# KiCad board C1581.kicad_pcb (continued)
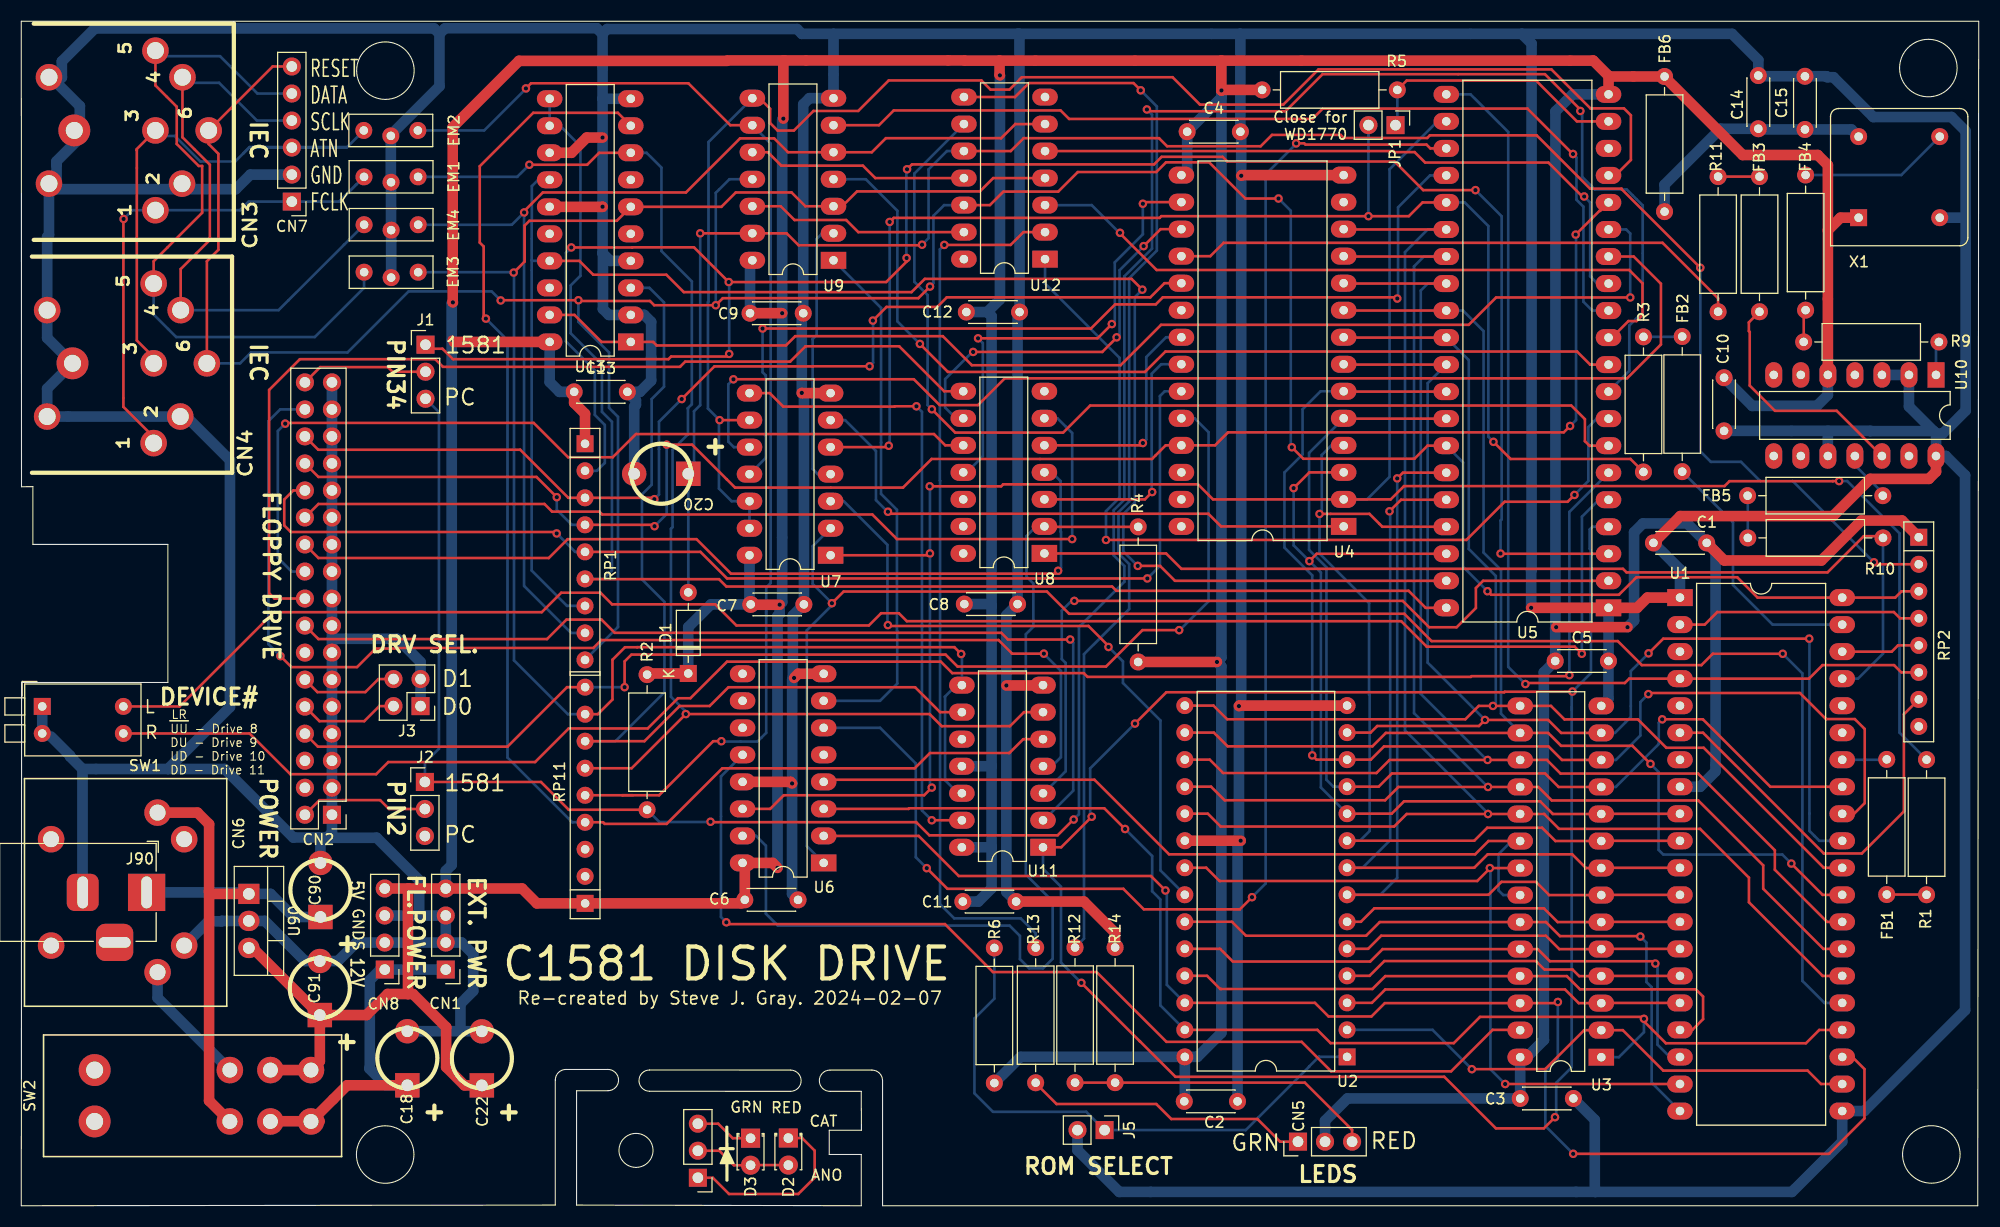
[diagram p0: board, top side]
## Routing (per net, layer and track width the routed paths; a pad name or vN(x,y) marks a point on that pad's centre or on a via; arc(x,y) is an arc through that point)
5V: length 890.6
  Top w1: 91.89,107.63 91.89,106.28 v1(91.92,106.25) ; 91.89,107.63 112.72,107.63 ; 91.89,107.63 88.61,107.63 ; C6.1 68.02,28.75 ; C6.1 67.96,32.01 U6.16 70.57,32.22 v1(71.03,31.76) ; C6.1 67.63,28.42 RP11.1 48.43,28.42 47.03,29.82 CN1.4 36.38,29.82 ; C91.1 32.43,17.92 34.41,19.9 36.32,19.9 ; C91.1 28.04,13.58 SW2.3 SW2.2 ; C91.1 21.73,24.23 U90.3 ; C1.1 159.96,60.65 169.09,60.65 172.84,64.4 176.66,64.4 RP2.1 ; v1(71.58,102.18) 71.58,107.59 71.64,107.65 ; 169.69,91.68 U10.5 ; 169.69,91.68 170.88,92.87 X1.1 ; 169.69,91.68 169.69,97.81 168.74,98.76 161.69,98.76 154.35,106.1 FB6.1 149.15,106.14 ; 71.64,107.65 88.59,107.65 ; 71.64,107.65 66.35,107.65 ; R4.2 v1(112.31,51.11) ; 149.15,106.14 147.66,107.63 112.72,107.63 ; 149.15,106.14 149.09,106.2 U5.20 ; 36.38,29.82 36.32,29.76 36.32,19.9 ; 36.38,29.82 CN8.4 ; 36.32,19.9 36.79,19.9 39.91,16.78 39.91,13.03 41.63,11.31 C22.1 ; R5.2 112.78,104.88 v1(112.73,104.83) 112.72,104.84 112.72,107.63 ; 40.63,81.19 U13.20 ; v1(144.17,54.38) v1(150.87,54.38) ; 66.31,107.61 46.75,107.61 40.52,101.38 40.52,84.93 v1(40.54,84.91) ; C13.1 51.93,75.46 52.95,74.44 RP1.1 ; C9.1 v1(71.47,83.89) ; R2.1 58.89,50.03 D1.1 ; v1(71.23,56.49) 68.54,56.49 C7.1
  Bottom w1: U2.28 93.86,13.99 R6.1 ; U2.28 110.47,13.99 112.72,16.24 112.72,50.7 v1(112.31,51.11) 112.73,51.53 v1(112.73,104.83) 112.73,104.17 C4.1 109.51,97.41 U4.15 ; U2.28 109.29,9.86 C2.1 ; 91.14,33.71 91.14,41.31 ; 91.14,33.71 91.14,29.83 89.9,28.59 C11.1 ; 91.14,33.71 91.12,33.69 U11.14 ; 91.14,41.31 U11.11 ; 91.14,41.31 91.14,56.41 ; CN5.2 122.46,7.98 124.56,10.08 C3.1 U3.28 141.4,13.96 143.02,15.58 143.01,15.59 143.01,50.13 C5.1 144.08,54.29 v1(144.17,54.38) 144.1,54.45 144.1,102.85 145.71,104.46 U5.20 ; D1.1 62.65,54.39 64.78,56.52 C7.1 68.4,56.63 U7.14 ; U13.20 49.63,77.42 50.55,76.5 C13.1 ; C10.1 162.59,75.18 168.66,75.18 169.69,76.21 U10.5 ; 91.14,56.41 91.14,83.6 90.74,84 ; 91.14,56.41 91,56.55 C8.1 ; 90.74,84 91.92,85.18 v1(91.92,106.25) ; 90.74,84 C12.1 ; v1(150.87,54.38) 151.49,55 151.49,63.3 152.32,64.13 156.48,64.13 C1.1 159.14,61.47 159.14,40.83 157.69,39.38 U1.8 ; v1(40.54,84.91) 40.43,84.8 v1(40.43,81.39) 40.43,32.03 39.87,31.47 CN1.4 ; v1(71.58,102.18) 71.47,102.07 v1(71.47,83.89) 71.47,56.73 v1(71.23,56.49) 71.23,55.63 71.03,55.43 v1(71.03,31.76) ; C9.1 68.45,88.64 U9.14
5VIN: length 12
  Bottom w1: CN6.1 12.8,19.54 SW2.1
12V: length 34.4
  Top w1: SW2.6 30.61,11.32 C18.1 ; 28.03,7.94 24.22,7.94
  Bottom w1: CN1.1 CN8.1 33.73,22.2 32.73,21.2 32.73,12.92 32.7,12.89 34.27,11.32 C18.1
12VIN: length 55
  Top w1: 17.64,29.53 17.64,9.87 SW2.4 ; 17.64,29.53 17.86,29.31 U90.1 ; 17.64,29.53 17.64,35.86 16.55,36.95 CN6.4
  Bottom w1: C90.1 25.58,27.14 23.41,29.31 U90.1 ; J90.1 21.24,29.45
GND: length 1213.6
  Top w1: U13.15 54.59,93.89 v1(54.6,93.9) ; U6.13 72.25,39.84 v1(72.4,39.69) ; U13.13 51.68,98.97 53.11,100.4 v1(54.6,100.4) ; R14.2 102.74,25.66 99.81,28.59 C11.2 ; U7.7 73.33,76.38 v1(73.31,76.4) ; v1(114.59,96.81) 114.65,96.87 U4.14 ; v1(72.59,49.61) 72.98,50 U6.8 ; U1.1 152.74,57.16 151.78,56.2 U5.1 v1(141.82,56.2) ; U10.14 179.85,68.99 179.18,68.32 173.67,68.32 170.17,64.82 155.83,64.82 C1.2 ; v1(114.37,46.96) 114.42,47.01 U2.14 ; v1(92.53,48.9) 95.94,48.9 U11.7 ; U2.20 v1(114.54,34.31)
  Bottom w1: 147.84,1.3 166.32,1.3 171.04,6.02 U1.21 173.11,8.9 182.58,18.37 182.58,68.66 180.77,70.47 U10.14 179.85,72.58 ; 147.84,1.3 103.13,1.3 99.21,5.22 J5.2 ; 147.84,1.3 147.8,1.34 147.8,8.07 C3.2 ; 27.87,34.61 28.1,34.38 C90.2 ; 27.87,34.61 25.55,34.61 19.11,41.05 13.78,41.05 ; 27.87,34.61 28.73,34.61 ; U13.10 54.61,104.05 54.6,104.06 ; C10.2 169.69,72.83 ; 93.59,110.15 93.76,110.15 93.76,102.87 93.77,102.86 C12.2 ; 93.59,110.15 114.49,110.15 ; 93.59,110.15 76.29,110.15 ; 169.69,72.83 U10.10 ; 169.69,72.83 173.67,72.83 173.69,72.81 179.62,72.81 179.85,72.58 ; 179.85,72.58 180.48,72.58 182.63,74.73 182.63,101.01 181.31,102.33 173.96,102.33 170.22,106.07 169.65,106.07 169.56,106.16 C15.2 163.23,106.16 C14.2 163.16,107.68 160.69,110.15 140.94,110.15 ; 179.85,72.58 177.31,75.12 U10.2 U10.3 ; 54.6,104.06 54.6,110.13 54.58,110.15 ; 54.6,104.06 v1(54.6,93.9) 54.6,89.53 ; v1(141.82,56.2) 141.82,59.71 141.86,59.75 141.86,109.23 140.94,110.15 ; 37.38,27.28 37.38,30.59 33.38,34.59 28.75,34.59 28.73,34.61 ; 37.38,27.28 CN8.3 ; 37.38,27.28 CN1.3 CN1.2 ; 140.94,110.15 114.49,110.15 ; CN2.33 CN2.31 CN2.29 CN2.27 CN2.25 CN2.23 CN2.21 CN2.19 CN2.17 CN2.15 29.18,53.29 ; 54.58,110.15 55.03,110.6 72.87,110.6 73.32,110.15 76.29,110.15 ; 54.58,110.15 54.06,110.67 39.8,110.67 39.28,110.15 ; CN4.2 CN4.2 2.43,76.8 CN4.2 2.43,81.56 CN4.2 2.43,91.06 2.6,91.23 CN3.2 ; 54.6,89.53 55.32,88.81 U13.4 ; 54.6,89.53 54.63,89.5 54.63,84.29 55.19,83.73 U13.2 58.51,83.73 59.16,83.08 59.16,77.55 58.11,76.5 C13.2 57.73,75.7 57.73,75.28 57.57,75.12 C20.2 ; C12.2 93.58,83.81 C8.2 92.53,55.5 92.53,29.5 C11.2 ; C12.2 93.56,83.79 ; CN6.2 17.58,26.73 18.8,26.73 18.84,26.77 U90.2 22.87,26.77 26.64,23 C91.2 29.74,23 31.48,24.74 CN8.2 CN1.2 ; 13.78,41.05 5.75,41.05 ; 13.78,41.05 19.6,46.87 19.6,70.08 15.89,73.79 ; 29.18,53.29 CN2.13 CN2.11 CN2.9 CN2.7 CN2.5 CN2.3 CN2.1 29.18,35.06 28.73,34.61 ; 29.18,53.29 35.32,53.29 37.5,51.11 J3.3 J3.1 ; CN1.2 41.36,24.74 42.45,23.65 42.45,20.19 41.25,18.99 41.25,16.4 ; 39.28,110.15 39.28,105.22 34.71,100.65 EM2.2 34.71,96.22 EM1.2 34.73,91.71 EM4.2 EM3.2 ; 39.28,110.15 38.77,110.66 6.91,110.66 3.81,107.56 3.81,106.05 3.31,105.55 5.5,103.36 5.5,100.74 5.69,100.55 3.3,98.16 3.3,97.86 3.31,97.85 3.31,95.55 20.15,95.55 21.52,96.92 CN7.2 ; C18.2 41.25,16.4 ; 41.25,16.4 43.25,16.4 C22.2 ; 76.29,110.15 U9.7 74.03,104.1 73.45,103.52 C9.2 73.31,83.75 v1(73.31,76.4) 73.51,76.2 C7.2 72.47,55.48 72.47,49.73 v1(72.59,49.61) 72.41,49.43 72.41,39.7 v1(72.4,39.69) 72.4,29.31 C6.2 ; X1.4 182.62,92.87 ; 5.75,41.05 5.75,29.89 6.02,29.62 ; 5.75,41.05 4.58,42.22 4.58,42.31 2.79,44.1 ; C2.2 114.24,34.01 v1(114.54,34.31) 114.37,34.48 v1(114.37,46.96) 114.59,47.18 v1(114.59,96.81) 114.59,100.87 C4.2 114.51,110.13 114.49,110.15 ; U3.14 149.08,47.65 C5.2 149.09,51.21 U5.1 ; SW1.2 SW1.1 ; U1.1 155.8,59.81 C1.2
A0: length 83.4
  Top w0.25: v1(120.99,60.59) 121.68,61.28 U5.38 ; U4.3 120.99,68.93 v1(119.51,67.45) ; U1.9 148.43,36.84 U3.10 143.86,36.82 142.67,38.01 129.88,38.01 128.72,36.85 U2.10
  Bottom w0.25: U2.10 122.07,39.31 122.07,59.51 v1(120.99,60.59) 119.51,62.07 v1(119.51,67.45)
A1: length 87
  Top w0.25: v1(121.94,65.02) 121.95,65.03 126.63,65.03 127.84,63.82 U5.37 ; U2.9 136.48,34.31 137.7,35.53 142.85,35.53 144.1,34.28 U3.9 148.43,34.3 U1.10
  Bottom w0.25: U4.4 123.06,71.47 122.15,70.56 122.15,65.23 v1(121.94,65.02) 121.94,61.3 126.6,56.64 126.6,48.04 126.65,47.99 126.65,35.22 125.74,34.31 U2.9
A2: length 74.2
  Top w0.25: U1.11 148.43,31.76 U3.8 146.97,31.74 145.68,33.03 137.74,33.03 136.48,31.77 U2.8 ; v1(128.52,65.27) 129.61,66.36 U5.36
  Bottom w0.25: U2.8 125.99,31.77 128.58,34.36 128.58,65.21 v1(128.52,65.27)
A3: length 80
  Top w0.25: U5.35 129.78,68.9 v1(129.24,68.36) ; U2.7 137.82,29.23 139.03,30.44 142.27,30.44 143.51,29.2 U3.7 148.43,29.22 U1.12
  Bottom w0.25: U2.7 127.65,29.23 129.24,30.82 v1(129.24,68.36)
A4: length 32.3
  Top w0.25: U1.13 148.43,26.68 U3.6 144.31,26.66 143.02,27.95 127.09,27.95 125.83,26.69 U2.6
A5: length 32.3
  Top w0.25: U1.14 148.43,24.14 U3.5 144.46,24.12 143.2,25.38 127.74,25.38 126.51,24.15 U2.5
A6: length 32.4
  Top w0.25: U2.4 126.64,21.61 128.03,23 142.28,23 143.07,22.2 145.71,22.2 146.33,21.58 U3.4 148.43,21.6 U1.15
A7: length 32.3
  Top w0.25: U1.16 148.43,19.06 U3.3 146.29,19.04 145,20.33 128.12,20.33 126.86,19.07 U2.3
A8: length 55.2
  Top w0.25: U2.25 111.38,21.61 112.62,20.37 126.91,20.37 128.12,21.58 U3.25 145.17,21.58 146.41,20.34 157.29,20.34 157.97,19.66 157.97,17.54 156.95,16.52 U1.17
A9: length 56
  Top w0.25: U2.24 112.6,24.15 113.8,22.95 126.7,22.95 127.87,24.12 U3.24 142.44,24.12 143.58,22.98 153.27,22.98 v1(153.49,22.76)
  Bottom w0.25: U1.18 154.85,13.98 153.69,15.14 153.69,22.56 v1(153.49,22.76)
A10: length 69.9
  Top w0.25: U2.21 111.3,31.77 112.55,30.52 136.75,30.52 137.94,31.71 v1(137.94,31.74) U3.21 ; v1(139.38,11.44) U1.19
  Bottom w0.25: v1(139.38,11.44) 138,12.82 138,31.68 v1(137.94,31.74)
A11: length 62.4
  Top w0.25: v1(152.08,25.3) 152.04,25.34 144.53,25.34 143.21,26.66 U3.23 127.6,26.66 126.32,25.38 115.03,25.38 113.72,26.69 U2.23
  Bottom w0.25: v1(152.08,25.3) 152.65,24.73 152.65,21.03 153.14,20.54 153.14,11.56 U1.20
A12: length 51.7
  Top w0.25: U1.22 169.05,11.44 167.79,12.7 154.23,12.7 150.43,16.5 U3.2 146.8,16.5 143.14,12.84 v1(136.25,12.84)
  Bottom w0.25: v1(136.25,12.84) 136.25,12.84 132.56,16.53 U2.2
A13: length 133.4
  Top w0.25: v1(144.33,19.15) 144.22,19.04 U3.26 128.07,19.04 126.82,17.79 122.79,17.79 121.51,19.07 U2.26 ; U1.23 171.99,13.98 173.13,12.84 173.13,8.21 169.8,4.88 v1(145.77,4.88) ; v1(107.47,29.63) 106.11,30.99 88.06,30.99 84.29,34.76 U6.2
  Bottom w0.25: v1(145.77,4.88) 143.15,7.5 143.15,12.61 144.33,13.79 v1(144.33,19.15) ; v1(107.47,29.63) 107.6,29.5 107.6,20.76 U2.26
A14: length 121.6
  Top w0.25: U6.3 83.34,37.3 83.39,37.36 101.72,37.36 103.67,35.41 v1(103.68,35.41) ; U2.27 121.74,16.53 122.99,15.28 134.55,15.28 137.02,17.75 152.24,17.75 v1(152.42,17.57) 152.42,17.33 154.48,15.27 167.63,15.27 168.88,16.52 U1.24
  Bottom w0.25: U3.1 150.06,13.96 152.42,16.32 v1(152.42,17.57) ; v1(103.68,35.41) 106.22,32.87 106.22,29.56 106.99,28.79 106.99,18.83 U2.27
A15: length 163.7
  Top w0.25: v1(165.45,51.88) 158.88,51.88 157.81,50.81 152.22,50.81 149.96,53.07 132.47,53.07 129.9,55.64 98.42,55.64 96.33,57.73 77.24,57.73 v1(76.14,56.63)
  Bottom w0.25: U7.2 74.34,62 74.34,58.45 76.14,56.64 v1(76.14,56.63) 76.14,56.44 73.78,54.09 73.78,33.81 U6.1 ; U1.25 169.37,19.06 167.3,21.13 167.3,50.03 v1(165.45,51.88)
ACTLED: length 84.7
  Top w0.25: v1(101.89,62.58) 135.74,62.58 139.33,66.17 145.25,66.17 v1(145.89,66.81)
  Bottom w0.25: v1(145.89,66.81) 145.89,66.82 147.19,68.12 147.19,73.19 147.98,73.98 U5.8 ; v1(101.89,62.58) 101.89,65.28 103.16,66.56 103.16,79.69 96.16,86.69 U12.1
ATN_ACK: length 110.4
  Top w0.25: U5.14 151.45,89.22 154.01,86.66 154.01,80.95 150.83,77.77 92.38,77.77 89.86,75.25 86.27,75.25 83.84,77.68 v1(66.89,77.68)
  Bottom w0.25: U7.10 66.93,71.3 66.41,71.82 66.41,77.2 v1(66.89,77.68)
ATN_IN: length 146.1
  Top w0.25: v1(65.59,73.84) U7.9 ; U5.17 149.73,96.84 151.19,98.3 151.19,102.49 150.54,103.14 147.39,103.14 143.72,106.81 121.84,106.81 118.54,103.5 110.71,103.5 108.14,106.07 93.98,106.07 92.82,104.91 91.04,104.91 90.18,105.77 81.48,105.77 78.61,102.9 74.41,102.9 72.57,101.06 71.04,101.06 70.34,101.76 70.34,103.1 69.34,104.1 U9.8
  Bottom w0.25: U7.13 U7.12 66.72,66.22 65.53,67.41 65.53,73.78 v1(65.59,73.84) 64.5,74.94 64.5,84.93 64.55,84.99 64.55,99.98 U9.8
CLK_IN: length 89.5
  Top w0.25: U9.6 80.56,101.56 81.95,102.95 97.62,102.95 98.42,102.15 121.27,102.15 122.24,103.12 141.47,103.12 145.74,98.86 v1(145.75,98.86)
  Bottom w0.25: U5.12 147.56,84.14 146.73,84.97 146.73,93.9 146.08,94.56 146.08,98.54 v1(145.75,98.86)
CLK_OUT: length 62.2
  Top w0.25: v1(146.8,94.86) 146.63,94.86 143.44,98.05 131.86,98.05 130.88,99.03 128.98,99.03 128.88,99.13 U12.5
  Bottom w0.25: v1(146.8,94.86) 147.36,94.3 147.36,87.36 148.04,86.68 U5.13
CNT: length 133
  Top w0.25: U5.40 131.91,56.2 130.31,57.8 102.86,57.8 102.46,58.2 66.23,58.2 65.54,58.89 52.98,58.89 RP1.6
  Bottom w0.25: RP1.6 54.68,58.92 55.48,59.72 55.48,73.68 54.54,74.62 54.54,79.07 51.6,82.01 51.6,86.5 52.52,87.41 52.52,99.59 50.6,101.51 U13.12 U13.11
D0: length 101.8
  Top w0.25: U2.11 127.5,39.39 128.74,40.63 143.13,40.63 144.4,39.36 U3.11 ; v1(154.13,45.72) 157.95,45.72 164.29,39.38 U1.33 ; U4.5 124.24,73.98 U5.33
  Bottom w0.25: U3.11 149.77,39.36 153.81,43.4 153.81,45.4 v1(154.13,45.72) ; U2.11 123.24,39.39 122.59,40.04 122.59,60.01 120.96,61.64 120.96,70.76 U4.5
D1: length 117
  Top w0.25: U5.32 124.24,76.52 U4.6 ; U1.32 172.15,36.84 173.15,37.84 173.15,44.81 172.22,45.74 169.52,45.74 167.07,48.19 152.93,48.19 v1(152.83,48.09) ; U3.12 144.72,41.9 143.45,43.17 128,43.17 126.76,41.93 U2.12 121.66,41.93 v1(121.26,42.33)
  Bottom w0.25: v1(121.26,42.33) 121.26,59.25 118.65,61.86 118.65,68.92 120.35,70.62 120.35,74.86 122.04,76.55 U4.6 ; v1(152.83,48.09) 152.08,47.34 152.08,44.2 149.78,41.9 U3.12
D2: length 118.2
  Top w0.25: U3.13 144.64,44.44 143.42,45.66 v1(137.49,45.66) 136.92,45.09 127.36,45.09 126.74,44.47 U2.13 ; v1(167.94,53.3) 154.23,53.3 v1(152.85,51.92) ; U4.7 124.24,79.06 U5.31
  Bottom w0.25: U3.13 149.69,44.44 151.18,45.93 151.18,50.25 v1(152.85,51.92) ; U5.31 132.1,77.31 132.1,51.05 137.49,45.66 v1(137.49,45.66) ; U1.31 168.89,34.3 167.96,35.23 167.96,53.28 v1(167.94,53.3)
D3: length 115.4
  Top w0.25: U5.30 124.24,81.6 U4.8 ; U1.30 169.31,31.76 158.03,43.05 154.52,43.05 151.85,45.71 144.95,45.71 143.68,46.98 U3.15 v1(138.23,46.98) 136.9,46.98 135.64,45.72 113.27,45.72 111.98,47.01 U2.15
  Bottom w0.25: v1(138.23,46.98) 138.5,47.25 138.5,59.19 135.96,61.73 135.96,79.49 U5.30
D4: length 126.9
  Top w0.25: v1(153.03,41.53) 151.33,43.23 144.63,43.23 143.42,44.44 U3.16 128.17,44.44 126.91,43.18 113.31,43.18 112.02,44.47 U2.16 ; U1.29 169.2,29.22 v1(166.26,32.16) ; U5.29 124.24,84.14 U4.9
  Bottom w0.25: 162.4,33.01 165.41,33.01 v1(166.26,32.16) ; 162.4,33.01 162.79,33.01 ; 162.4,33.01 154.23,33.01 153.79,33.45 153.79,40.77 v1(153.03,41.53) ; U5.29 135.42,84.14 137.35,82.21 137.35,61.39 138.99,59.75 138.99,46.24 U3.16
D5: length 129.2
  Top w0.25: U4.10 124.24,86.68 U5.28 ; U1.28 169.61,26.68 164.71,31.58 164.71,33.41 157.5,40.62 144.58,40.62 143.3,41.9 U3.17 v1(137.73,41.9) 128.52,41.9 127.29,40.67 112.89,40.67 111.63,41.93 U2.17
  Bottom w0.25: U5.28 132.11,86.68 131.45,86.02 131.45,48.11 137.66,41.9 v1(137.73,41.9)
D6: length 135.3
  Top w0.25: U2.18 111.75,39.39 113.03,38.11 128.1,38.11 129.35,39.36 v1(137.77,39.36) U3.18 142.49,39.36 143.76,38.09 157.52,38.09 163.62,31.99 163.62,29.79 169.27,24.14 U1.27 ; U4.11 124.24,89.22 U5.27
  Bottom w0.25: U5.27 131.75,89.22 130.82,88.29 130.82,46.3 137.76,39.36 v1(137.77,39.36)
D7: length 140.9
  Top w0.25: U5.26 124.24,91.76 U4.12 ; U1.26 169.2,21.6 162.28,28.52 162.28,30.83 157.69,35.43 144.44,35.43 143.04,36.82 U3.19 v1(137.77,36.82) 130.13,36.82 128.95,35.64 112.66,35.64 111.45,36.85 U2.19
  Bottom w0.25: U5.26 132.1,91.76 129.97,89.63 129.97,44.68 137.77,36.88 v1(137.77,36.82)
DATA: length 166.2
  Top w0.25: v1(46.25,87.71) 47.28,88.74 47.28,92.13 47.73,92.58 55.94,92.58 U13.6 65.76,93.89 67.11,95.24 72.35,95.24 73.65,93.94 U9.3 77.1,93.94 78.5,95.34 90.04,95.34 91.29,96.59 U12.4 ; RP11.8 54.15,46.2 55.53,47.58 55.53,51.32 56.7,52.49 57.85,52.49 57.86,52.5 87.64,52.5 v1(88.28,51.86)
  Bottom w0.25: RP11.8 51.34,46.2 46.28,51.26 46.28,87.68 v1(46.25,87.71) 46.21,87.75 EM3.1 ; U11.12 87.99,38.77 86.77,39.99 86.77,47.82 86.75,47.84 87.84,48.93 U11.8 88.35,51.79 v1(88.28,51.86)
DATA_IN: length 87.7
  Top w0.25: v1(84.41,81.01) 87.04,78.37 105.55,78.37 107.47,80.29 146.13,80.29 147.36,79.06 U5.10
  Bottom w0.25: v1(84.41,81.01) 82.29,83.12 82.29,93.52 79.33,96.48 U9.4
DATA_OUT: length 66.3
  Top w0.25: U5.11 149.41,81.6 150.96,83.15 151.72,83.15 152.28,83.71 152.28,86.7 151.03,87.95 106.64,87.95 103.2,91.39 v1(103.2,91.45)
  Bottom w0.25: U12.3 100.54,94.05 103.14,91.45 v1(103.2,91.45)
DIRECTION: length 91.9
  Top w0.25: CN2.18 23.78,57.07 23.28,57.57 23.28,76.68 26.16,79.57 38.88,79.57 39.6,78.85 61.87,78.85 62.36,79.34 72.22,79.34 73.66,80.78 82.46,80.78 86.69,76.55 U8.8
FAST_CLK: length 124.5
  Top w0.25: v1(47.72,97.84) 53.15,97.84 54.28,98.97 U13.8 ; U11.6 94.18,46.39 92.86,45.07 86.46,45.07 85.32,46.21 v1(62.42,46.21) 57.33,41.12 RP11.6
  Bottom w0.25: v1(47.72,97.84) 46.58,96.71 EM1.1 ; U13.8 58.73,98.97 60.13,97.57 60.13,89.73 62.99,86.88 62.99,75.34 62.6,74.95 62.62,74.93 62.62,72.51 61.18,71.07 61.18,63.79 61.02,63.63 61.02,47.84 62.42,46.44 v1(62.42,46.21)
FAST_SER_DIR: length 115
  Top w0.25: U13.19 51.96,83.73 54.5,81.19 U13.1 59.35,81.19 59.68,80.86 71.82,80.86 72.69,81.73 86.56,81.73 89.29,79 103.26,79 107.06,82.8 135.96,82.8 138.53,85.37 v1(151.13,85.37)
  Bottom w0.25: v1(151.13,85.37) 151.13,91.38 150.75,91.76 U5.15
FD_PIN2: length 12.2
  Top w0.25: J2.2 34.54,37.29 33.71,38.12 30.19,38.12 30.18,38.12 28.01,38.12 CN2.2
FD_PIN34: length 12.1
  Top w0.25: J1.2 34.87,78.39 34.44,78.82 28.07,78.82 CN2.34
FDC_CLOCK: length 54.4
  Top w0.25: R11.2 159.38,85.29 154.16,90.51 112.94,90.51 111.68,89.25 U4.18
GREEN_LED: length 27
  Top w0.25: CN5.1 118.24,6.02 116.11,8.15 108.02,8.15 106.61,9.56 97.24,9.56 95.24,11.56
INDEX: length 112.4
  Top w0.25: CN2.8 27.86,43.15 45.67,43.15 51.26,48.74 RP11.9 ; v1(56.67,48.74) 56.67,51.16 57.31,51.8 86.82,51.8 87.94,50.68 101.89,50.68 105.31,54.1 v1(108.76,54.1)
  Bottom w0.25: U4.24 110.21,74.01 111.52,72.7 111.52,56.81 108.81,54.1 v1(108.76,54.1) ; v1(56.67,48.74) RP11.9
MOTOREN: length 92.3
  Top w0.25: CN2.16 27.91,53.26 49.38,53.26 51.21,55.09 54.5,55.09 55.74,53.85 92.05,53.85 92.68,53.22 v1(98.52,53.22)
  Bottom w0.25: U11.2 96.03,36.23 98.81,39.01 98.81,52.93 v1(98.52,53.22)
PHI0: length 96.6
  Top w0.25: U8.1 107.53,61.31 108.97,59.87 150.45,59.87 150.78,59.53 169.66,59.53 173.06,62.93 174.92,62.93
  Bottom w0.25: U1.37 172.52,49.54 174.87,51.89 R10.1
PHI2: length 130.8
  Top w0.25: R3.2 151.15,70.19 139.89,70.19 v1(138.28,71.8) ; v1(81.57,92.47) 81.95,92.85 106.92,92.85 107.08,93.01 v1(126.54,93.01) 130.33,93.01 131.62,94.3 U5.25 ; U7.5 81.35,71.3 v1(81.48,71.43)
  Bottom w0.25: v1(138.28,71.8) 137.8,72.28 137.8,92.08 135.58,94.3 U5.25 134.8,94.3 ; 126.54,100.56 JP1.2 v1(126.54,93.01) ; v1(81.48,71.43) 81.57,71.52 81.57,92.47 v1(81.57,92.47)
POWERLED: length 97.7
  Top w0.25: U5.7 147.35,71.44 147.32,71.41 146.87,71.86 146.87,73.93 145.59,75.21 100.4,75.21 97.86,72.67 87.72,72.67 v1(85.53,74.86)
  Bottom w0.25: U12.9 83.89,97.02 83.89,86.84 85.13,85.6 85.13,75.26 v1(85.53,74.86)
R/~{W}: length 214.5
  Top w0.25: v1(170.75,68.11) 170.16,68.11 170.15,68.1 160.45,68.1 159.99,67.64 129.88,67.64 128.63,66.39 U4.2 111.94,66.39 110.53,67.81 92.22,67.81 92.04,67.62 v1(85.33,67.62) ; U7.1 85.18,61.14 v1(85.35,61.31) ; v1(85.52,39.3) 84.8,38.58 71.62,38.58 70.34,37.3 U6.14
  Bottom w0.25: v1(85.52,39.3) 85.35,39.47 v1(85.35,61.31) 85.35,67.6 v1(85.33,67.62) ; U4.2 126.4,66.39 128.52,68.51 128.52,97.42 133.02,101.92 U5.22 ; R1.2 176.42,44.47 176.42,63.2 171.51,68.11 v1(170.75,68.11)
RDY: length 23.2
  Top w0.25: U1.2 158.12,54.62 159.3,55.8 175.89,55.8 176.48,55.21 RP2.4
READDATA: length 99.5
  Top w0.25: v1(79.99,83.2) 81.27,84.48 86.03,84.48 86.93,85.38 106.05,85.38 107.38,86.71 U4.19 ; CN2.30 27.89,71.06 46.86,71.06 51.38,66.54 RP1.3 59.33,66.54 v1(59.46,66.41) ; v1(62.03,75.82) 65.1,78.89 74.35,78.89 74.36,78.9 v1(79.68,78.9)
  Bottom w0.25: v1(79.99,83.2) 80.01,83.18 80.01,79.23 v1(79.68,78.9) ; v1(62.03,75.82) 59.9,73.69 59.9,71.1 59.9,71.1 59.9,66.85 v1(59.46,66.41)
RED_LED: length 29
  Top w0.25: CN5.3 125,7.13 120.56,11.57 R14.1 R12.1
S0: length 7.4
  Top w0.25: U1.38 175.69,52.08 176.28,52.67 RP2.5
SELECT0: length 9.5
  Top w0.25: CN2.10 28.01,45.55 32.21,45.55 33.63,46.96 J3.2
SELECT1: length 9.3
  Top w0.25: CN2.12 27.82,48.28 32.32,48.28 33.54,49.5 J3.4
SIDE0: length 73.9
  Top w0.25: v1(98.91,56.85) 129.76,56.85 132.24,54.37 134.82,54.37 136.63,56.18 136.63,58.06 137.31,58.74 U5.2
  Bottom w0.25: U11.3 96.03,38.77 98.1,40.84 98.1,51.01 97.73,51.38 97.73,55.93 98.65,56.85 v1(98.91,56.85)
SIDESELECT: length 112.6
  Top w0.25: v1(96.05,51.89) 93.07,51.89 91.79,53.17 54.48,53.17 53.74,52.43 35.21,52.43 35.16,52.37 33.28,52.37 31.54,50.63 25.38,50.63 v1(24.34,51.66)
  Bottom w0.25: U11.4 96.8,41.31 97.65,42.16 97.65,50.27 96.05,51.87 v1(96.05,51.89) ; CN2.32 24.32,74.85 23.21,73.74 23.21,52.79 v1(24.34,51.66)
SLOW_CLK: length 106.6
  Top w0.25: v1(47.23,93.36) 47.23,93.48 48.99,95.24 62.43,95.24 67.51,100.32 70.72,100.32 72.02,99.02 U9.5 79.89,99.02 81.21,100.34 92.04,100.34 93.37,101.67 U12.6
  Bottom w0.25: EM4.1 46.08,92.21 v1(47.23,93.36) 47.23,58.25 51.64,53.84 RP1.8
SP: length 160.8
  Top w0.25: U5.39 108.36,58.74 106.96,60.14 v1(104.87,60.14) ; U13.17 52.42,88.81 53.72,87.51 60.59,87.51 62.23,85.87 83.62,85.87 84.87,87.12 104.28,87.12 v1(105.3,86.1)
  Bottom w0.25: v1(104.87,60.14) 103.51,61.5 103.51,65 104.59,66.08 104.59,85.39 v1(105.3,86.1) ; RP1.7 51.26,56.38 47.94,59.7 47.94,88.86 ; 47.94,88.86 47.99,88.81 U13.17 ; 47.94,88.86 47.94,92.44 47.96,92.46 47.96,95.84 48.55,96.43 U13.14
STEP: length 82.4
  Top w0.25: v1(24.79,73.51) 24.86,73.58 48.13,73.58 51.36,70.35 55.55,70.35 57.73,72.53 85.73,72.53 86.79,71.47 U8.10
  Bottom w0.25: CN2.20 25.39,59.61 24.1,60.9 24.1,72.82 v1(24.79,73.51)
TRACK00: length 107.7
  Top w0.25: v1(105.77,58.96) 66.29,58.96 63.79,61.46 RP1.5 ; v1(50.29,63.19) 50.15,63.33 25.32,63.33 24.7,63.94 24.7,66.38 25.55,67.23 CN2.26
  Bottom w0.25: U4.23 107.4,76.55 106.95,76.1 106.95,60.14 v1(105.77,58.96) ; RP1.5 52.02,61.46 v1(50.29,63.19)
WRITEDATA: length 83.9
  Top w0.25: v1(97.39,59.68) 97.12,59.41 66.66,59.41 63.42,62.65 51.32,62.65 49.55,60.88 27.91,60.88 CN2.22
  Bottom w0.25: U8.4 96.8,68.93 97.62,68.11 97.62,63.37 97.66,63.33 97.66,59.95 v1(97.39,59.68)
WRITEGATE: length 87.1
  Top w0.25: v1(98.71,62.66) 82.25,62.66 79.94,64.97 54.57,64.97 54.3,65.24 49.86,65.24 49.14,65.96 27.91,65.96 CN2.24
  Bottom w0.25: U8.6 97.33,74.01 98.71,72.63 v1(98.71,62.66)
WRITEPROTECT: length 155.6
  Top w0.25: CN2.28 27.91,68.5 48.4,68.5 v1(50.3,66.6) ; v1(145.48,73.29) 144.88,72.69 113.35,72.69 112.13,71.47 U4.25 107.49,71.47 106.21,70.19 85.51,70.19 82.82,67.5 67.04,67.5 63.01,71.53 v1(60.62,71.53) ; RP1.4 59.35,64 v1(59.48,63.87) ; U5.16 148.3,93.51 148.24,93.51 v1(146.01,91.28)
  Bottom w0.25: v1(146.01,91.28) 146.04,91.25 146.04,73.85 v1(145.48,73.29) ; RP1.4 51.71,64 50.3,65.41 v1(50.3,66.6) ; v1(60.62,71.53) 60.62,65.01 v1(59.48,63.87)
~{ATN}: length 113.6
  Top w0.25: 56.46,38.58 RP11.5 ; 56.46,38.58 57.45,38.58 ; 56.46,38.58 59.91,38.58 64.99,43.66 v1(65.76,43.66) ; U9.9 66.6,101.56 62.66,105.5 47.88,105.5 v1(47.4,105.02)
  Bottom w0.25: 69.97,55.86 69.97,44.45 69.15,43.63 65.79,43.63 v1(65.76,43.66) ; 69.97,55.86 69.97,58.11 70.39,58.53 70.39,99.84 U9.9 ; 69.97,55.86 69.97,55.6 ; EM2.1 43.48,101.07 47.4,104.99 v1(47.4,105.02)
~{CIA_SEL}: length 139.8
  Top w0.25: U5.23 132.35,99.38 131.99,99.74 120.62,99.74 120.51,99.85 v1(119.75,99.85) ; v1(115.6,29) 114.46,27.86 105.44,27.86 103.51,29.79 86.99,29.79 v1(85.05,31.73)
  Bottom w0.25: v1(115.6,29) 116.88,30.28 116.88,96.94 119.75,99.81 v1(119.75,99.85) ; v1(85.05,31.73) 84.02,32.76 84.02,41.57 80.67,44.92 U6.6
~{DISKCHANGE}: length 247.2
  Top w0.25: R2.2 51.42,37.22 48.81,39.83 J2.1 ; v1(105.73,103.04) 105.9,102.87 118.74,102.87 122.22,106.36 143.12,106.36 146.44,103.03 v1(146.44,102.9) ; v1(64.74,36.09) 64.78,36.05 84.06,36.05 85.3,34.82 97.34,34.82 98.82,36.3 v1(98.85,36.3)
  Bottom w0.25: v1(105.73,103.04) 106.21,102.56 106.21,89.96 103.61,87.36 103.61,66.37 102.61,65.37 102.61,61.13 103.61,60.13 103.61,58.65 99.34,54.38 99.34,36.79 v1(98.85,36.3) ; U5.9 151.04,78.47 151.04,82.73 152.3,83.99 152.3,94.02 150.8,95.52 147.8,95.52 146.61,96.71 146.61,102.73 v1(146.44,102.9) ; R2.2 59.93,36.07 64.72,36.07 v1(64.74,36.09) ; J2.1 37.91,41.63 39.23,42.95 39.23,74.59 J1.3
~{FLAG}: length 89.8
  Top w0.25: v1(69.63,82.45) 100.47,82.45 102.74,84.72 106.56,84.72 107.22,85.38 129.14,85.38 v1(129.25,85.27)
  Bottom w0.25: U5.24 132.32,96.84 129.32,93.84 129.32,85.34 v1(129.25,85.27) ; v1(69.63,82.45) 69.63,78.34 69.93,78.05 69.93,72.54 69.84,72.45 69.93,72.37 69.93,70.29 U7.11
~{IRQ}: length 97.8
  Top w0.25: v1(141.28,49.03) 141.38,49.13 150.62,49.13 151.03,49.54 U1.4 167.92,49.54 169.19,50.81 175.91,50.81 176.59,50.13 RP2.6
  Bottom w0.25: v1(141.28,49.03) 139.67,50.64 139.67,100.92 136.13,104.46 U5.21
~{MOTOR}: length 182.4
  Top w0.25: v1(144.06,8.32) 143.01,7.27 138.51,7.27 133.66,12.12 108.41,12.12 105.07,15.46 105.06,15.46 v1(99.57,20.95) ; v1(104.61,45.32) 107.55,48.26 139.29,48.26 139.34,48.31 145.68,48.31 v1(145.7,48.33) ; U11.1 97.67,33.69 v1(100.54,36.56)
  Bottom w0.25: 145.63,46.58 145.63,13.01 144.17,11.55 144.17,8.43 v1(144.06,8.32) ; 145.63,46.58 145.63,48.26 v1(145.7,48.33) 147.44,50.07 147.44,53.98 147.42,54.01 147.42,61.66 147.32,61.75 147.32,63.56 147.58,63.82 U5.4 ; 145.63,46.58 145.63,46.92 ; v1(104.61,45.32) 100.4,41.11 100.4,36.7 v1(100.54,36.56) ; U11.1 95.97,31.67 97.66,29.98 97.66,22.85 99.56,20.95 v1(99.57,20.95)
~{NMI}: length 38.5
  Top w0.25: RP2.7 176.83,46.19 176.83,37.06 172.88,33.11 169.31,33.11 157.96,44.46 U1.6
~{RAM_OE}: length 77.1
  Top w0.25: U3.20 137.81,34.28 136.56,33.03 107.81,33.03 100.8,40.04 75.57,40.04 U6.4
  Bottom w0.25: U3.20 139.99,34.28 138.76,33.05 138.76,29.64 139.2,29.2 U3.22
~{RAMWE}: length 98.8
  Top w0.25: v1(66.22,26.64) 66.29,26.64 66.46,26.47 86.76,26.47 91.27,21.96 101.01,21.96 107.56,15.41 120.27,15.41 123.04,12.63 134.3,12.63 138.2,16.53 140.76,16.53 U3.27
  Bottom w0.25: v1(66.22,26.64) 65.72,27.14 65.72,40.35 U6.12
~{RDY}: length 203.3
  Top w0.25: v1(83.16,89.08) 83.16,88.74 81.24,86.82 v1(66.45,86.82) 63.19,90.08 57.39,90.08 57.38,90.07 v1(51.66,90.07) ; U5.3 138.97,61.28 v1(138.95,61.3) ; v1(83.2,97.42) 83.66,97.88 106.4,97.88 107.11,98.59 112.84,98.59 113.28,98.15 128.99,98.15 131.68,95.46 v1(136.59,95.46) ; v1(66.49,80.06) 66.51,80.04 66.51,79.82 61.04,79.82 60.79,79.57 40.54,79.57 39.56,80.55 38.35,80.55 J1.1
  Bottom w0.25: v1(83.2,97.42) 83.13,97.35 83.13,89.11 v1(83.16,89.08) ; v1(138.95,61.3) 138.95,64.41 139.05,64.51 139.05,93 v1(136.59,95.46) ; v1(66.45,86.82) 66.49,86.78 v1(66.49,80.06) ; v1(51.66,90.07) 51.15,89.57 51.15,81.25 53.87,78.53 53.87,74.33 54.81,73.39 54.81,69.82 54.07,69.08 RP1.2
~{RESET}: length 295.9
  Top w0.25: v1(45.03,85.09) 45.05,85.11 v1(52.33,85.11) 52.4,85.04 59.05,85.04 59.45,84.64 v1(65.23,84.64) 65.89,85.3 84.26,85.3 v1(85.36,86.4) ; CN4.6 17.43,88.77 18.52,89.86 18.52,98.88 17.6,99.79 CN3.6 23.61,107.08 CN7.6 ; U5.34 132.09,71.44 130.86,70.21 120.42,70.21 v1(119.34,71.29) ; v1(137.72,57.76) 138.05,57.43 150.07,57.43 151.71,59.07 161.18,59.07 163.09,57.16 U1.40 176.02,57.16 176.61,57.75 RP2.3 ; U12.12 90.98,94.05 92.25,95.32 97.4,95.32 99.24,97.16 106.61,97.16 107.52,98.07 111.58,98.07 114.98,94.67 v1(118.09,94.67)
  Bottom w0.25: U5.34 135.43,69.86 135.43,60.05 v1(137.72,57.76) ; v1(119.34,71.29) 119.24,71.39 119.24,93.52 v1(118.09,94.67) ; CN4.6 20.55,79.18 21.57,80.2 30.64,80.2 36.38,85.94 44.18,85.94 v1(45.03,85.09) ; U9.11 66.51,96.48 65.23,95.2 v1(65.23,84.64) ; U12.12 86.68,94.05 85.68,93.05 85.68,86.72 v1(85.36,86.4) ; RP1.9 56.05,54.4 56.05,74.15 55.21,74.99 55.21,80.2 52.33,83.08 v1(52.33,85.11)
~{ROM_OE}: length 62.5
  Top w0.25: v1(81.4,54.57) 81.48,54.49 100.24,54.49 102.12,52.61 v1(102.12,52.52)
  Bottom w0.25: U7.3 77.25,66.22 81.36,62.11 81.36,54.61 v1(81.4,54.57) ; v1(102.12,52.52) 103.48,51.16 103.48,49.13 107,45.61 107,31.52 U2.22
~{WD_CS}: length 55
  Top w0.25: U4.1 112.69,63.85 111.5,65.04 81.6,65.04 v1(81.41,65.23)
  Bottom w0.25: v1(81.41,65.23) 81.37,65.23 80.28,66.32 80.28,70.94 77.38,73.84 U7.6
~{WDSEL}: length 49.8
  Bottom w0.25: U6.7 80.66,47.46 82.28,49.08 82.28,54.01 82.25,54.04 82.25,65.41 80.75,66.91 80.75,71.73 80.76,71.74 80.76,84.39 U9.1
Net-(CN3-Pin_1): length 49.4
  Top w0.25: 13.39,71.29 9.59,75.09 9.59,92.73 v1(9.61,92.75)
  Bottom w0.25: v1(9.61,92.75) 10.43,93.57 CN3.1 20.54,93.57 21.35,94.38 29.86,94.38 31.46,95.97 ; 31.46,95.97 EM1.3 ; 31.46,95.97 29.91,94.43
Net-(CN3-Pin_3): length 64
  Top w0.25: 13.39,78.79 10.85,81.33 10.85,99.19 10.84,99.2 10.84,99.31 CN3.3
  Bottom w0.25: 21.77,99.51 21.45,99.51 20.85,98.91 ; 21.77,99.51 30.61,99.51 ; 21.77,99.51 21.82,99.46 CN7.3 30.56,99.46 ; 30.56,99.46 EM2.3 ; 30.56,99.46 21.4,99.46 20.85,98.91 ; 20.85,98.91 20.09,98.15 16.82,98.15 14.42,100.55 13.31,100.55
Net-(CN3-Pin_4): length 55.7
  Top w0.25: CN3.4 15.14,100.42 17.71,97.85 17.71,90.78 14.97,88.04 CN4.4
  Bottom w0.25: CN4.4 24.17,84.18 30.31,90.32 30.31,90.32 EM4.3 ; CN7.4 22.13,102 18.58,105.55 15.85,105.55
Net-(CN3-Pin_5): length 66.3
  Top w0.25: CN4.5 12.43,88.77 16.99,93.33 16.99,97.73 16.67,97.73 14.6,99.8 14.6,103.3 12.6,105.3 CN3.5
  Bottom w0.25: CN4.5 12.43,83.77 14.55,81.65 27.57,81.65 32.2,86.28 EM3.3 ; CN7.5 22.18,104.54 18.67,108.05 13.31,108.05
Net-(CN9-Pin_1): length 17.7
  Top w0.25: D2.1 73.34,6.36 74.52,5.18 74.52,2.64 72.98,1.1 66.48,1.1 64.95,2.63 CN9.1
Net-(CN9-Pin_2): length 9.1
  Top w0.25: D2.2 68.52,3.82 D3.2 66.94,3.81 65.57,5.17 CN9.2
Net-(CN9-Pin_3): length 5.5
  Top w0.25: D3.1 66.82,6.34 65.46,7.71 CN9.3
Net-(D1-A): length 184.9
  Top w0.25: v1(63.77,91.4) U9.13 71.89,91.4 73.02,90.28 84.56,90.28 v1(84.61,90.33) ; v1(174.02,60.48) 174.21,60.29 RP2.2 ; U12.10 92.94,99.13 94.15,100.34 106.87,100.34 107.63,99.58 116.41,99.58 117.48,100.65 123.93,100.65 124.22,100.36 132.06,100.36 132.31,100.61 142.34,100.61 147.35,95.6 150.31,95.6 150.31,95.56 v1(157.71,88.16)
  Bottom w0.25: v1(63.77,91.4) 63.77,75.25 63.19,74.67 63.19,69.34 C20.1 D1.2 ; U12.10 86.94,99.13 85.22,97.41 85.22,90.94 v1(84.61,90.33) ; v1(157.71,88.16) 157.71,70.91 158.7,69.92 161.53,69.92 163.34,68.11 166.39,68.11 v1(174.02,60.48)
Net-(FB1-Pad1): length 3.7
  Top w0.25: FB1.1 178.94,29.25 R1.1
Net-(FB2-Pad1): length 3.7
  Bottom w0.25: FB2.1 155.98,81.67 R3.1
Net-(FB3-Pad2): length 3.9
  Top w0.25: R11.1 FB3.2
Net-(FB4-Pad2): length 3.1
  Top w0.25: FB4.2 167.42,84 R9.2
Net-(FB5-Pad1): length 4
  Bottom w0.25: FB5.1 162.17,66.72 R10.2
Net-(J5-Pin_1): length 53.8
  Bottom w0.25: U2.1 121.93,13.99 121.9,14.02 120.97,13.09 120.97,13.07 115.01,7.11 J5.1 100.03,8.83 91.27,8.83 89.53,10.57 89.53,17.6 91.4,19.47 R6.2
Net-(JP1-A): length 25.2
  Top w0.25: R5.1 130.13,105.76 142.28,105.76 146.12,101.92 U5.19
  Bottom w0.25: R5.1 129.25,101.74 JP1.1
Net-(R12-Pad2): length 102.6
  Top w0.25: U12.8 93.34,104.21 94.65,105.52 104.47,105.52 v1(105.15,104.84)
  Bottom w0.25: v1(105.15,104.84) 106.66,103.33 106.66,89.78 104.06,87.18 104.06,66.19 103.06,65.19 103.06,61.31 104.06,60.31 104.06,56.08 99.82,51.84 99.82,25.11 R12.2
Net-(R13-Pad1): length 83.6
  Top w0.25: U12.2 94.13,91.51 92.93,90.31 v1(86.7,90.31)
  Bottom w0.25: R13.1 95.28,25.6 93.87,27.01 87.63,27.01 86.3,28.34 86.3,68.14 86.28,68.16 86.28,89.89 v1(86.7,90.31)
Net-(RP11C-R3.2): length 129.6
  Top w0.25: RP11.4 54.65,36.04 54.8,35.89 60.62,35.89 65.84,41.11 83.91,41.11 85.35,42.55 92.81,42.55 94.11,43.85 U11.5 ; v1(43.64,83.38) 43.43,83.59 43.43,90.16 43.06,90.53 43.06,97.7 48.09,102.73 56.03,102.73 U13.9
  Bottom w0.25: RP11.4 51.75,36.04 45.67,42.12 45.67,81.35 v1(43.64,83.38)
Net-(RP11F-R6.2): length 89.9
  Top w0.25: U11.9 86.3,46.39 83.96,48.73 66.42,48.73 64.66,46.97 61.84,46.97 58.53,43.66 RP11.7
  Bottom w0.25: U13.3 59,86.27 60.37,84.9 60.37,76.98 59.21,75.82 59.21,67.77 58.3,66.86 58.3,58.87 60.41,56.76 60.41,48.26 55.81,43.66 RP11.7
Net-(U1-02): length 24.4
  Bottom w0.25: FB2.2 160.78,64.23 160.78,58.34 164.5,54.62 U1.39
Net-(U1-R/~{W}): length 4.2
  Bottom w0.25: FB1.2 175.19,41.92 U1.34
Net-(U4-DIRC): length 36.4
  Top w0.25: v1(102.89,81.62) 102.89,81.6 101.54,80.25 v1(89.41,80.25) ; U4.17 107.01,91.79 v1(105.42,90.2)
  Bottom w0.25: v1(102.89,81.62) 103.16,81.89 103.16,87.93 105.42,90.19 v1(105.42,90.2) ; v1(89.41,80.25) 89.33,80.25 86.78,77.7 86.78,75.02 87.79,74.01 U8.9
Net-(U4-STEP): length 43.1
  Top w0.25: v1(89.87,81.53) 101.1,81.53 v1(102.44,82.87) ; U4.16 105.5,94.33 v1(105.35,94.18)
  Bottom w0.25: v1(102.44,82.87) 102.71,83.14 102.71,88.67 105.35,91.31 v1(105.35,94.18) ; U8.11 88.81,68.93 90.31,70.44 90.31,81.09 v1(89.87,81.53)
